# Altium PCB track_kit_test_5.PcbDoc
Units mm, origin at the board's own origin, x right, y up, seen from the top; angles counter-clockwise.
Board outline 60 x 169.5 mm, 2 copper layers (Top Layer, Bottom Layer), stack 1.571 mm thick; 72 components, 79 nets, 200 pads, 4 vias.
Unrouted connection lines stored in the file: 95.
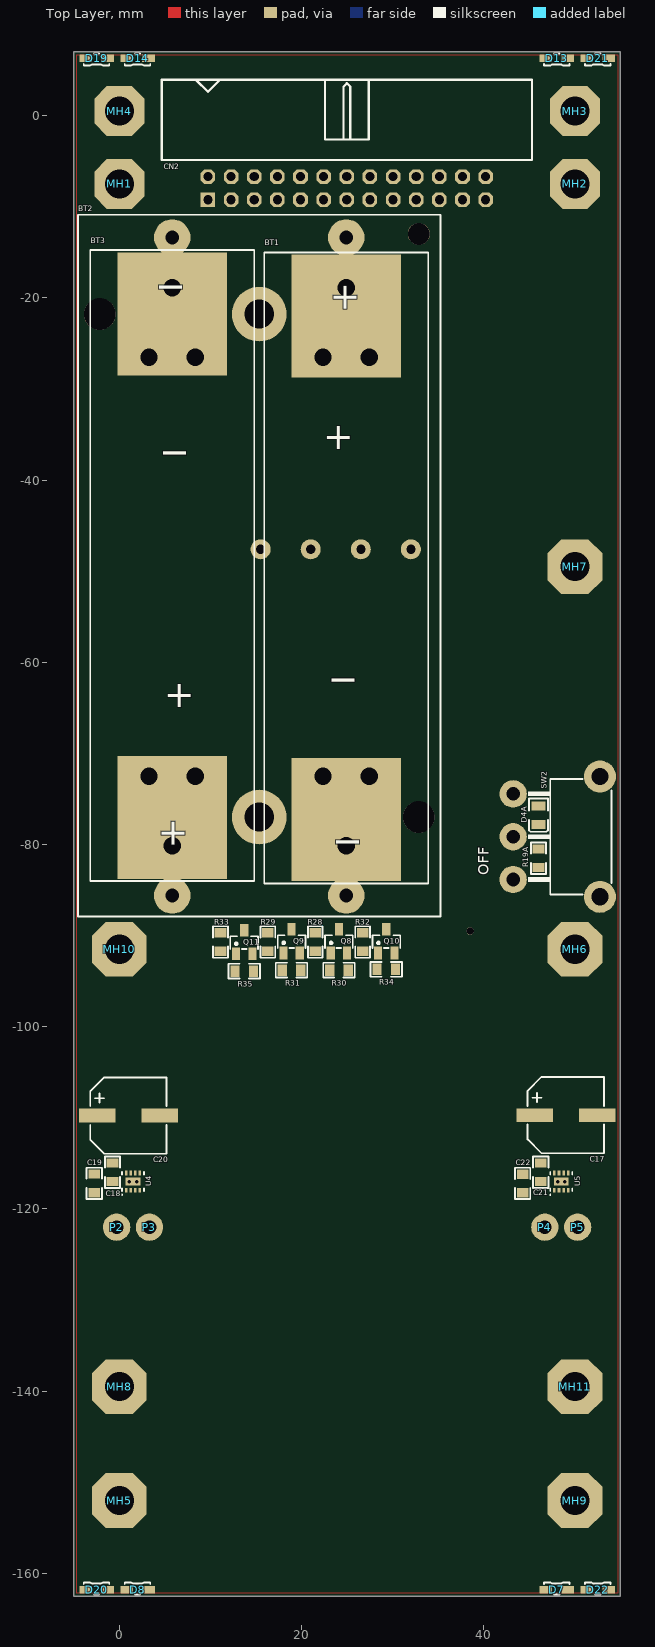
[diagram p0: Top Layer view]
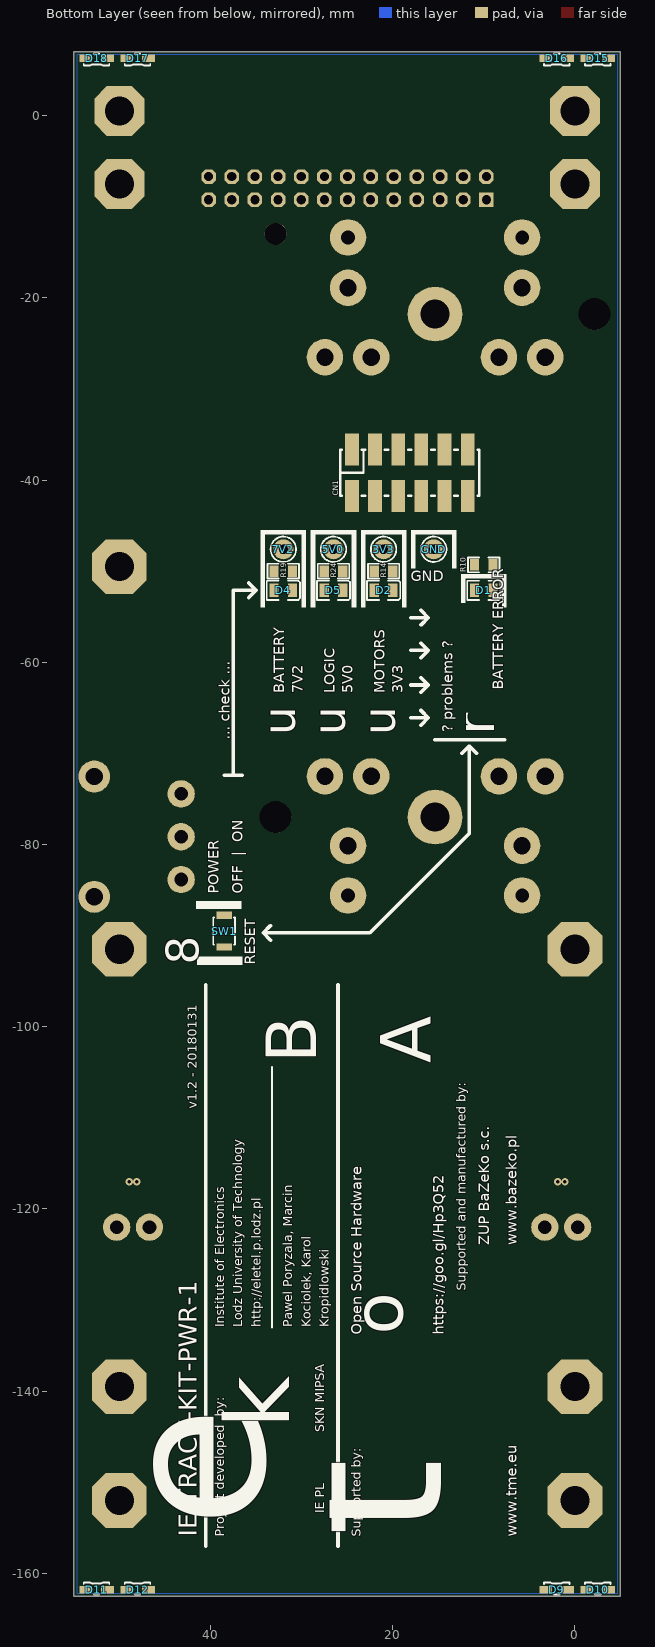
[diagram p1: Bottom Layer view, seen from below]

## Layer stack, top to bottom
Top Solder: solder mask 0.0102, Solder Resist, Dk 3.5
Top Layer: signal copper 0.0356
Dielectric 1: dielectric 1.5, FR-4, Dk 4.8
Bottom Layer: signal copper 0.0356
Bottom Solder: solder mask 0.0102, Solder Resist, Dk 3.5

## Board outline
-5,-162.5 55,-162.5 55,7 -5,7

## Design rules (kind name [scope] priority, off if disabled: settings)
Clearance Clearance_1 [OnLayer('Mechanical 3')] p1: gap=0.5 ignorepadtopadclearanceinfootprint=FALSE
Clearance [All] p2: gap=0.2 ignorepadtopadclearanceinfootprint=FALSE
ComponentClearance [All] p1: gap=0.2 collisioncheckmode=3 verticalgap=0.2 showdistances=FALSE
HoleSize [All] p1: absolutevalues=TRUE maxlimit=3.2 minlimit=0.025 maxpercent=80.000 minpercent=20.000
PolygonConnect [All] p1: thpad.connectstyle=Relief thpad.reliefconductorwidth=0.6 thpad.reliefentries=4 thpad.polygonreliefangle="90 Angle" thpad.airgapwidth=0.254 smdpad.connectstyle=Relief smdpad.reliefconductorwidth=0.6 smdpad.reliefentries=4 smdpad.polygonreliefangle="90 Angle" smdpad.airgapwidth=0.254 via.connectstyle=Direct via.reliefconductorwidth=0.6 via.reliefentries=4 via.polygonreliefangle="90 Angle" via.airgapwidth=0.254
RoomDefinition "[08] - MAIN CONNECTOR" [InComponentClass('[08] - MAIN CONNECTOR')] p1: confinementstyle=ConfineIn formatcopy=TRUE lockcomponents=FALSE outline -26.7,-189.2 77.4,-189.2 77.4,40.1 -26.7,40.1
RoomDefinition "[06] - MOTOR DRIVERS" [InComponentClass('[06] - MOTOR DRIVERS')] p2: confinementstyle=ConfineIn formatcopy=TRUE lockcomponents=FALSE outline -29.9,-191.7 92.6,-191.7 92.6,44.5 -29.9,44.5
RoomDefinition "[05] - POWER" [InComponentClass('[05] - POWER')] p3: confinementstyle=ConfineIn formatcopy=TRUE lockcomponents=FALSE outline -30.5,-193 102.2,-193 102.2,42 -30.5,42
RoomDefinition "[04] - BATTERIES WITH PROTECTION" [InComponentClass('[04] - BATTERIES WITH PROTECTION')] p4: confinementstyle=ConfineIn formatcopy=TRUE lockcomponents=FALSE outline -24.2,-191.1 72.3,-191.1 72.3,41.3 -24.2,41.3
RoomDefinition "[07] - LIGHTS" [InComponentClass('[07] - LIGHTS')] p5: confinementstyle=ConfineIn formatcopy=TRUE lockcomponents=FALSE outline -22.4,-192.3 73.1,-192.3 73.1,36.5 -22.4,36.5
RoutingVias [All] p1: holewidth=0.4 width=1 viastyle="Through Hole" minholewidth=0.3 minwidth=0.6 maxholewidth=0.4 maxwidth=1
SilkToSilkClearance [All] p1: silktosilkclearance=0.1
SilkToSolderMaskClearance [IsPad] p1: minsilkscreentomaskgap=0 clearancetoexposedcopper=TRUE
SolderMaskExpansion [All] p1: expansion=0.102
Width [All] p1: maxlimit=4 minlimit=0.28 preferedwidth=0.6
26 further rules are at their usual default settings.

## Classes and differential pairs
component class "[07] - LIGHTS": CN1 D7 D8 D9 D10 D11 D12 D13 D14 D15 D16 D17 D18 D19 D20 D21 D22 Q8 Q9 Q10 Q11 R28 R29 R30 R31 R32 R33 R34 R35
component class "[05] - POWER": 3V3 5V0 7V2 D2 D4 D4A D5 GND R14 R15 R16 R19 R19A R24 SW2
component class "[04] - BATTERIES WITH PROTECTION": BT1 BT2 BT3 D1 R10 SW1
component class "[06] - MOTOR DRIVERS": C17 C18 C19 C20 C21 C22 C23 P2 P3 P4 P5 U4 U5
component class "[03] - BLOCK DIAGRAM": MH1 MH2 MH3 MH4 MH5 MH6 MH7 MH8 MH9 MH10 MH11
component class "[08] - MAIN CONNECTOR": CN2 Q?

## Components (designator, comment, footprint, x,y, rotation, side; value= is the part's Value field where it differs from the comment)
3V3 "Keystone 5000 Test Point (RED)" Keystone_5000_RED 21,-47.6 r270 bottom
5V0 "Keystone 5000 Test Point (RED)" Keystone_5000_RED 26.5,-47.6 r270 bottom
7V2 "Keystone 5000 Test Point (RED)" Keystone_5000_RED 32,-47.6 r270 bottom
BT1 "18650 (2x KEYSTONE 54 Holder) Battery" KEYSTONE_54_W_18650 24.9,-49.52 r270 top
BT2 "KEYSTONE 1049" KEYSTONE_1049 15.35,-49.49 r90 top locked
BT3 "18650 (2x KEYSTONE 54 Holder) Battery" KEYSTONE_54_W_18650 5.8,-49.52 r90 top
C17 "220uF/16V" CES_E_8.3x8.3_6.2 49,-109.7 r90 top locked
C18 "100nF" C0805 -0.75,-115.975 r90 top locked
C19 "100nF" C0805 -2.75,-117.191 r270 top locked
C20 "220uF/16V" CES_E_8.3x8.3_6.2 1,-109.75 r90 top locked
C21 "100nF" C0805 46.25,-115.975 r90 top locked
C22 "100nF" C0805 44.25,-117.2 r270 top locked
CN1 "QTR-8RC_DIRECT" QTR-8RC_SNAPPED_GOLDPIN_VERTICAL 25,-39.3 r0 top
CN2 "IDC Connector" IDC26_RA_LONG_W_CN 24.96,-7.97 r0 top locked
D1 "RED" LED0805R 10,-52.1 r180 bottom
D2 "LED_YELLOW" LED0805Y 21,-52.1 r180 bottom
D4 "RED" LED0805R 32,-52.1 r180 bottom
D4A "RED" LED0805R 46,-76.784 r270 top
D5 "GREEN" LED0805G 26.5,-52.1 r180 bottom
D7 "KA-2810ASURSK" LED2810 48,-161.4 r180 top locked
D8 "KA-2810ASURSK" LED2810 2,-161.4 r180 top locked
D9 "KA-2810ASURSK" LED2810 2,-161.4 r0 bottom locked
D10 "KA-2810ASURSK" LED2810 -2.5,-161.4 r0 bottom locked
D11 "KA-2810ASURSK" LED2810 52.5,-161.4 r0 bottom locked
D12 "KA-2810ASURSK" LED2810 48,-161.4 r0 bottom locked
D13 "LTW-108DCG-HS10" LED2810 48,5.9 r0 top
D14 "LTW-108DCG-HS10" LED2810 2,5.9 r0 top
D15 "LTW-108DCG-HS10" LED2810 -2.5,5.9 r180 bottom
D16 "LTW-108DCG-HS10" LED2810 2,5.9 r180 bottom
D17 "LTW-108DCG-HS10" LED2810 48,5.9 r180 bottom
D18 "LTW-108DCG-HS10" LED2810 52.5,5.9 r180 bottom
D19 "KA-2810ASESK" LED2810 -2.5,5.9 r0 top
D20 "KA-2810ASESK" LED2810 -2.5,-161.4 r180 top locked
D21 "KA-2810ASESK" LED2810 52.5,5.9 r0 top
D22 "KA-2810ASESK" LED2810 52.5,-161.4 r180 top locked
GND "Keystone 5001 Test Point (BLACK)" Keystone_5001_BLACK 15.5,-47.6 r270 bottom
MH1 "MHOLE 3mm" "3mm screw drill I"#1 0,-7.5 r0 top
MH2 "MHOLE 3mm" "3mm screw drill I"#1 50,-7.5 r0 top
MH3 "MHOLE 3mm" "3mm screw drill I"#1 50,0.5 r0 top
MH4 "MHOLE 3mm" "3mm screw drill I"#2 0,3 r0 top
MH5 "MHOLE 3mm" "3mm screw drill I"#3 0,-152 r0 top
MH6 "MHOLE 3mm" "3mm screw drill I"#3 50,-91.5 r0 top
MH7 "MHOLE 3mm" "3mm screw drill I"#3 50,-49.5 r0 top
MH8 "MHOLE 3mm" "3mm screw drill I"#3 0,-139.5 r0 top
MH9 "MHOLE 3mm" "3mm screw drill I"#3 50,-152 r0 top
MH10 "MHOLE 3mm" "3mm screw drill I"#3 0,-91.5 r0 top
MH11 "MHOLE 3mm" "3mm screw drill I"#3 50,-139.5 r0 top
P2 "CablePAD" PADTHT1.5x3mm -0.3,-122 r0 top
P3 "CablePAD" PADTHT1.5x3mm 3.3,-122 r0 top locked
P4 "CablePAD" PADTHT1.5x3mm 46.7,-122 r0 top locked
P5 "CablePAD" PADTHT1.5x3mm 50.3,-122 r0 top locked
Q8 "IRLML0040TRPBF" SOT-23 24.1,-90.6 r0 top
Q9 "IRLML0040TRPBF" SOT-23 18.9,-90.6 r0 top
Q10 "IRLML0040TRPBF" SOT-23 29.3,-90.6 r0 top
Q11 "IRLML0040TRPBF" SOT-23 13.7,-90.7 r0 top
R10 "470" R0805 10,-49.3 r0 bottom
R14 "220R" R0805 21,-50 r0 bottom
R19 "1k" R0805 32,-50 r0 bottom
R19A "1k" R0805 46,-81.5 r270 top
R24 "150R" R0805 26.5,-50 r0 bottom
R28 "10R" R0805 21.5,-90.7 r90 top
R29 "10R" R0805 16.3,-90.7 r90 top
R30 "1k" R0805 24.1,-93.8 r0 top
R31 "1k" R0805 18.9,-93.8 r0 top
R32 "10R" R0805 26.7,-90.7 r90 top
R33 "10R" R0805 11.1,-90.7 r90 top
R34 "1k" R0805 29.3,-93.7 r0 top
R35 "1k" R0805 13.7,-93.9 r0 top
SW1 "B3U-1000PM-B" B3U-1000PM-B 38.5,-89.5 r270 bottom
SW2 "SL19123" 500SSPXS1M6XEA 43.22,-79.145 r90 top locked
U4 "DRV8838" "WSON8 (DSG8-1600X900TP)" 1.5,-117 r90 top locked
U5 "DRV8838" "WSON8 (DSG8-1600X900TP)" 48.5,-117 r90 top locked

## Footprints (in the part's own frame and the unit in brackets; to place one, negate y for a bottom-side part, rotate by r counter-clockwise, add the part's x,y. Pads: shape width x height; smd on the part's side, far side on the other; paste and mask are expansions set on the pad)
"3mm screw drill I"#1 [mm]
  oct 5.5x5.5 hole 3.2: 1(0,0)
"3mm screw drill I"#2 [mm]
  oct 5.5x5.5 hole 3.2: 1(0,-2.5)
"3mm screw drill I"#3 [mm]
  oct 6x6 hole 3.2: 1(0,0)
  body extent -2.75,9.75 2.75,15.25, height 4.2
500SSPXS1M6XEA [mm] "E-Switch 500 Series Miniature Slide Switche (TME: Canal Electronic, SL19123)"
  round 3 hole 1.5: 1(-4.7,0) 2(0,0) 3(4.7,0)
  round 3.5 hole 1.9: M(-6.605,-9.53) M(6.605,-9.53)
  silkscreen extent -6.35,-10.79 6.35,-1.65, body extent -6.78,-15.49 6.79,0.7, height 6.8
B3U-1000PM-B [mm] "OMRON Ultra-small Tactile Switch B2U Series"
  rect 0.8x1.7 smd: 1(-1.75,0) 2(1.75,0)
  round 0.8 hole 0.8: M0(0,0)
  silkscreen extent -1.5,-1.2 1.5,1.2, body extent -2,-1.25 2,1.25, height 1.6
C0805 [mil]
  rect 40x50 smd: 1(-40,0) 2(40,0)
  silkscreen extent -68,-33 68,33, body extent -39,-25 39,25, height 31
CES_E_8.3x8.3_6.2 [mm] "SMT Aluminum Electrolytic Capacitor, E Size; base: 8.3x8.3mm, height: 6.2mm"
  rect 1.5x4 smd: 1(0,3.429) 2(0,-3.429)
  silkscreen extent -4.19,-4.19 4.19,4.19, body extent -4.15,-4.5 4.15,4.5, height 6.2
IDC26_RA_LONG_W_CN [mm] "2.54mm, 26 Pin IDC Male Connector, Right Angle"
  rect 1.6x1.6 hole 1: 1(-15.24,-1.27)
  oct 1.6x1.6 hole 1: 2(-15.24,1.27) 3(-12.7,-1.27) 4(-12.7,1.27) 5(-10.16,-1.27) 6(-10.16,1.27) 7(-7.62,-1.27) 8(-7.62,1.27) 9(-5.08,-1.27) 10(-5.08,1.27) 11(-2.54,-1.27) 12(-2.54,1.27) 13(0,-1.27) 14(0,1.27) 15(2.54,-1.27) 16(2.54,1.27) 17(5.08,-1.27) 18(5.08,1.27) 19(7.62,-1.27) 20(7.62,1.27) 21(10.16,-1.27) 22(10.16,1.27) 23(12.7,-1.27) 24(12.7,1.27) 25(15.24,-1.27) 26(15.24,1.27)
  silkscreen extent -20.32,3.1 20.32,11.9, body extent -20.37,-1.64 20.31,21.3, height 9.13
KEYSTONE_54_W_18650 [mm]
  round 4 hole 1.9: 1(-30.62,0) 1(-23,-2.54) 1(-23,2.54) 2(23,-2.54) 2(23,2.54) 2(30.62,0)
  rect 13.5x12 smd: 1(-27.5,0) 2(27.75,0)
  silkscreen extent -34.5,-9 34.75,9, body extent -34.2,-9.05 34.2,9.09, height 19.3
KEYSTONE_1049 [mm] "THT double 18650 LiPo Holder"
  round 4 hole 1.5: 1(-36.11,9.55) 2(36.11,9.55) 3(-36.11,-9.55) 4(36.11,-9.55)
  round 6 hole 3.2: M1(-27.5,0) M2(27.7,0)
  round 3.45 hole 3.5: M3(-27.5,-17.505) M4(27.7,17.5)
  round 2.4 hole 2.4: M5(36.5,-17.505)
  silkscreen extent -38.4,-19.9 38.6,19.9, body extent -38.4,-19.89 38.66,19.89, height 14.88
Keystone_5000_RED [mm] "Red Keystone Electronics 5000 Test Point"
  round 2.2 hole 1: 0(0,0)
  silkscreen extent -1.4,-1.4 1.4,1.39, body extent -1.27,-1.27 1.27,1.27, height 4.57
Keystone_5001_BLACK [mm] "Black Keystone Electronics 5001 Test Point"
  round 2.2 hole 1: 0(0,0)
  silkscreen extent -1.4,-1.4 1.4,1.39, body extent -1.27,-1.27 1.27,1.27, height 4.57
LED0805G [mil]
  rect 40x60 smd: 1(-40,0) 2(40,0)
  silkscreen extent -72,-41 72,41, body extent -40,-25 40,25, height 43
LED0805R [mil]
  rect 40x60 smd: 1(-40,0) 2(40,0)
  silkscreen extent -72,-41 72,41, body extent -40,-25 40,25, height 43
LED0805Y [mil]
  rect 40x60 smd: 1(-40,0) 2(40,0)
  silkscreen extent -72,-41 72,41, body extent -40,-25 40,25, height 43
LED2810 [mm] "SMD 2810 LED case (for e.g. Kingbright KA-2810 series)"
  rect 1.4x0.86 smd: 1(1.2,0.4) 2(-1.2,0.4)
  silkscreen extent -1.4,-0.4 1.4,0.9, body extent -1.4,-0.4 1.4,0.9, height 0.8
PADTHT1.5x3mm [mm]
  round 3 hole 1.5: 0(0,0)
QTR-8RC_SNAPPED_GOLDPIN_VERTICAL [mm] "QTR-8RC Reflectance Sensor Array"
  rect 1.5x3.5 smd far side: 1(-0.525,2.64) 2(-3.065,2.64) 3(-5.605,2.64) 4(-8.145,2.64) 5(-10.685,2.64) 6(-13.225,2.64) GND(-13.225,-2.44) GND(-10.685,-2.44) GND(-8.145,-2.44) GND(-5.605,-2.44) LEDON(-0.525,-2.44) VCC(-3.065,-2.44)
  body extent -27.82,-3.42 27.77,11.05, height 15.33
R0805 [mil]
  rect 40x50 smd: 1(-40,0) 2(40,0)
  silkscreen extent -68,-32 68,32, body extent -39,-25 39,25, height 31
SOT-23 [mm]
  rect 0.9x1.4 smd: 1(-0.9,-1.3) 2(0.9,-1.3) 3(0,1.3)
  silkscreen extent -1.52,-0.76 1.52,0.64, body extent -1.46,-1.25 1.46,1.23, height 1
"WSON8 (DSG8-1600X900TP)" [mm] "SON, 8-Leads, Body 2x2mm, Pitch 0.5mm, Thermal Pad 1.6x0.9mm, TI Recommended"
  rect 0.5x0.28 smd paste-0.14 mask+0.07: 1(-0.95,0.75) 2(-0.95,0.25) 3(-0.95,-0.25) 4(-0.95,-0.75) 5(0.95,-0.75) 6(0.95,-0.25) 7(0.95,0.25) 8(0.95,0.75)
  rect 0.9x1.6 smd paste-0.45 mask+0.07: 9(0,0)
  silkscreen extent -1.5,-1.2 1.05,1.25, body extent -1.05,-1.05 1.05,1.05, height 0.8

## Part data
3V3 5V0 7V2: library part "Keystone 5000 Test Point"
BT1 BT3: library part 18650, Published=24-Mar-1999, Publisher="Altium Limited", Revision="July-2002: Re-released for DXP Platform."
BT2: library part "Keystone 1049", "2x 18650 LiPo Acu in the KEYSTONE 1049 Holder", Published=14-Sep-2006
C17 C20: library part "Cap Pol", "Polarized Capacitor", ComponentLink1Description=datasheet, ComponentLink2Description=supplier
C18 C19 C21 C22: library part Cap, "Capacitor", ComponentLink1Description=datasheet, ComponentLink2Description=supplier
CN1: "QTR-8RC Reflectance Sensor Array (Pololu item No. 961)", Published=14-Sep-2006
CN2: library part CN_13x2
D1 D4 D4A: library part LED_RED, "RED LED", Published=04-Apr-2006
D2: "YELLOW LED", Published=04-Apr-2006
D5: library part LED_GREEN, "GREEN LED", Published=04-Apr-2006
GND: library part "Keystone 5001 Test Point"
MH1 MH2 MH3 MH4 MH5 MH6 MH7 MH8 MH9 MH10 MH11: library part MHOLE_3MM, "3mm Mounting Hole"
P2 P3 P4 P5: "Cable/Wire Soldering PAD", Published=14-Sep-2006
Q8 Q9 Q10 Q11: "N-Channel; 40V, 3.6A, 1,25W; HEXFET Power MOS-FET", Supplier Part Number 1=1831088RL, Supplier 1=Farnell, Supplier 2=TME, Supplier 3=Farnell, Supplier 4=Farnell, Supplier Part Number 2=IRLML0040TRPBF, Supplier Part Number 3=1829136, Supplier Part Number 4=1831088
R10 R14 R19 R19A R24 R28 R29 R30 R31 R32 R33 R34 R35: library part Res, "Resistor", ComponentLink1Description=datasheet, ComponentLink2Description=supplier, Published=19-Feb-2006
SW1: "OMRON Ultra-small Tactile Switch - 12V/50mA"
SW2: "Canal Electronic SPDT AC: 3A/250V, DC: 6A/28V", Supplier 1=TME, Supplier Part Number 1=SL19123
U4 U5: "Low-Voltage H-Bridge Driver", Supplier Part Number 1=2420232, Published=14-Sep-2006, Supplier 1=Farnell, Supplier 2=Farnell, Supplier Part Number 2=2542736
D7 D8 D9 D10 D11 D12 D13 D14 D15 D16 D17 D18 D19 D20 D21 D22: Published=04-Apr-2006

## Via types
v1: diameter 0.8, hole 0.4, Top Layer to Bottom Layer, tented both sides, 4 vias

## Nets (pads, with @x,y where several pads share a name; then routed paths per layer and width w, separated by ;. In a path a pad name is that pad's centre, name@x,y a point inside that pad or via, vN(x,y) a via of type N, cw(c..) or ccw(c..) an arc to the next point about the centre after c; other vN are vias at no path point)
3V3: 3V3.0 BT2.M1 C17.1 C19.2 C20.1 C22.2 D7.2 D8.2 D9.2 D10.2 D11.2 D12.2 D13.2 D14.2 D15.2 D16.2 D17.2 D18.2 D19.2 D20.2 D21.2 D22.2 MH10.1 R14.1 U4.1 U5.1
5V0: 5V0.0 R24.1
7V2: BT2.1 BT3.1 SW2.2
7V2_SW: 7V2.0 D4A.1 R19.1 SW2.3
EN_LEFT: CN2.18 U4.5
EN_RIGHT: CN2.17 U5.5
FB_3V3: 
FB_5V0: 
GND: C17.2 C18.1 C19.1 C20.2 C21.1 C22.1 CN1.GND CN2.4 CN2.6 CN2.22 D2.2 D4.2 D5.2 GND.0 MH1.1 MH2.1 MH3.1 MH4.1 MH5.1 MH6.1 MH7.1 MH8.1 MH9.1 MH11.1 Q8.2 Q9.2 Q10.2 Q11.2 R19A.2 R30.2 R31.2 R34.2 R35.2 SW2.M U4.4 U4.9 U5.4 U5.9
  other v1: 1.1,-117 1.9,-117 48.1,-117 48.9,-117
LD1: CN1.1 CN2.13
LD2: CN1.2 CN2.11
LD3: CN1.3 CN2.9
LD4: CN1.4 CN2.7
LD5: CN1.5 CN2.5
LD6: CN1.6 CN2.3
LEDON: CN1.LEDON CN2.14
LIGHTS_FRONT: CN2.10 Q9.1 R31.1
LIGHTS_REAR: CN2.8 Q8.1 R30.1
LIGHTS_TURN_LEFT: CN2.2 Q11.1 R35.1
LIGHTS_TURN_RIGHT: CN2.1 Q10.1 R34.1
NetBT1_1: BT1.1 BT2.2 BT2.4 BT3.2
NetC1_1: 
NetC1_2: 
NetC3_2: 
NetC4_1: 
NetC4_2: 
NetC5_1: 
NetC5_2: R10.2
NetC10_2: 
NetC11_2: 
NetC15_2: 
NetC16_2: 
NetCN2_21: CN2.21
NetCN2_23: CN2.23 CN2.24
NetCN2_25: CN2.25 CN2.26
NetD1_1: D1.1
NetD1_2: D1.2 R10.1
NetD2_1: D2.1 R14.2
NetD3_2: 
NetD4_1: D4.1 R19.2
NetD4A_2: D4A.2 R19A.1
NetD5_1: D5.1 R24.2
NetD6_2: 
NetD7_1: D7.1 D8.1 D9.1 D10.1 D11.1 D12.1 R28.1
NetD13_1: D13.1 D14.1 D15.1 D16.1 D17.1 D18.1 R29.1
NetD19_1: D19.1 D20.1 R33.1
NetD21_1: D21.1 D22.1 R32.1
NetP1_2: 
NetP2_0: P2.0 U4.2
NetP3_0: P3.0 U4.3
NetP4_0: P4.0 U5.2
NetP5_0: P5.0 U5.3
NetQ1_1: 
NetQ1_4: 
NetQ1_5: 
NetQ4_3: 
NetQ4_4: 
NetQ5_2: 
NetQ6_3: 
NetQ6_4: 
NetQ7_2: 
NetQ8_3: Q8.3 R28.2
NetQ9_3: Q9.3 R29.2
NetQ10_3: Q10.3 R32.2
NetQ11_3: Q11.3 R33.2
NetQ12_1: 
NetQ13_2: 
NetQ14_1: 
NetQ15_2: 
NetQ16_1: 
NetQ17_2: 
NetR2_1: 
NetR4_1: SW1.1
nSLEEP_LEFT: CN2.20 U4.7
nSLEEP_RIGHT: CN2.19 U5.7
PACK_GND: BT1.2 BT2.3 SW1.2
PH_LEFT: CN2.16 U4.6
PH_RIGHT: CN2.15 U5.6
SYSTEM_VCC: C18.2 C21.2 CN1.VCC CN2.12 U4.8 U5.8
pads on no net: BT2.M2 BT2.M3 BT2.M4 BT2.M5 SW1.M0 SW2.1

## Polygon pours and split planes (outlines as drawn)
GND on Top Layer "GND" (solid, remove dead copper, shelved, pour order 0): -4.7,6.7 54.7,6.7 54.7,-162.2 -4.7,-162.2
GND on Bottom Layer "GND" (solid, remove dead copper, shelved, pour order 2): -4.7,6.7 54.7,6.7 54.7,-162.2 -4.7,-162.2

## Other copper
Bottom Layer:
  region net NetBT1_1: 1.4,-23.6

## Silkscreen, mask and mechanical layers (free items; w line width, h text height)
Top Overlay:
  text "OFF" at 40.9,-83.4 h2 r90
Bottom Overlay:
  region: 13,-45.5 13,-49.7 13.5,-49.7 13.5,-45.5
  region: 17.5,-45.5 17.5,-49.7 18,-49.7 18,-45.5
  region: 13,-45.5 13,-46 18,-46 18,-45.5
  region: 18.5,-45.5 18.5,-46 23.5,-46 23.5,-45.5
  region: 36.5,-92.3 36.5,-93.2 41.5,-93.2 41.5,-92.3
  region: 36.6,-86.2 36.6,-87.1 41.6,-87.1 41.6,-86.2
  region: 7.5,-50.3 7.5,-54 8,-54 8,-50.3
  region: 7.5,-50.3 7.5,-50.8 12.5,-50.8 12.5,-50.3
  region: 12,-50.3 12,-53.5 12.5,-53.5 12.5,-50.3
  region: 23,-45.5 23,-54 23.5,-54 23.5,-45.5
  region: 18.5,-45.5 18.5,-54 19,-54 19,-45.5
  region: 28.5,-45.5 28.5,-54 29,-54 29,-45.5
  region: 24,-45.5 24,-46 29,-46 29,-45.5
  region: 24,-45.5 24,-54 24.5,-54 24.5,-45.5
  region: 29.5,-45.5 29.5,-54 30,-54 30,-45.5
  region: 29.5,-45.5 29.5,-46 34.5,-46 34.5,-45.5
  region: 34,-45.5 34,-54 34.5,-54 34.5,-45.5
  lines w0.2: 33.25,-133 33.25,-104.4
  lines w0.4: 7.7,-68.5 15.4,-68.5 ; 10.8,-70 11.6,-69.2 ; 12.4,-70 11.6,-69.2 ; 16.9,-66.9 16.1,-66.1 ; 16.9,-65.3 16.1,-66.1 ; 16.9,-63.3 16.1,-62.5 ; 16.9,-61.7 16.1,-62.5 ; 16.9,-59.5 16.1,-58.7 ; 16.9,-57.9 16.1,-58.7 ; 16.9,-55.9 16.1,-55.1 ; 16.9,-54.3 16.1,-55.1 ; 18,-66.1 16.1,-66.1 ; 18,-62.5 16.1,-62.5 ; 18,-58.7 16.1,-58.7 ; 18,-55.1 16.1,-55.1 ; 26,-157 26,-95.4 ; 33.4,-90.5 34.2,-89.7 ; 33.4,-88.9 34.2,-89.7 ; 35.8,-52.9 35,-52.1 ; 35.8,-51.3 35,-52.1 ; 36.5,-72.4 38.5,-72.4 ; 37.5,-72.4 37.5,-52.1 35,-52.1 ; 40.5,-157 40.5,-95.4 ; 11.6,-69.2 11.6,-78.8 22.5,-89.7 34.2,-89.7
  text "GND" at 18,-51.5 h2
  text "BATTERY ERROR" at 7.5,-63 h2 r270
  text "MOTORS / 3V3" at 18.5,-63.4 h2 r270
  text "LOGIC / 5V0" at 24,-63.4 h2 r270
  text "BATTERY / 7V2" at 29.5,-63.4 h2 r270
  text "? problems ?" at 13,-67.7 h2 r270
  text "r" at 7.5,-68 h7.5 r270
  text "u" at 18.5,-68 h6.2 r270
  text "u" at 24,-68 h6.2 r270
  text "u" at 29.5,-68 h6.2 r270
  text "... check ..." at 37.5,-68.5 h2 r270
  text "OFF  |  ON" at 36.1,-85.4 h2 r270
  text "POWER" at 38.7,-85.4 h2 r270
  text "RESET" at 34.7,-93.2 h2 r270
  text "8" at 40.1,-93.2 h6.2 r270
  text "A" at 14,-104 h9.5 r270
  text "B" at 26.6,-104 h9.5 r270
  text "v1.2 - 20180131" at 41.5,-109 h1 r270
  text "www.bazeko.pl" at 6,-124 h2 r270
  text "ZUP BaZeKo s.c." at 9,-124 h2 r270
  text "Supported and manufactured by:" at 12,-129 h1 r270
  text "Kropidlowski" at 27,-133 h1 r270
  text "Kociolek, Karol" at 29,-133 h1 r270
  text "Pawel Poryzala, Marcin" at 31,-133 h1 r270
  text "http://eletel.p.lodz.pl" at 34.5,-133 h1 r270
  text "Lodz University of Technology" at 36.5,-133 h1 r270
  text "Institute of Electronics" at 38.5,-133 h1 r270
  text "https://goo.gl/Hp3Q52" at 14,-133.8 h2 r270
  text "o" at 17.1,-133.8 h9.5 r270
  text "Open Source Hardware" at 23,-133.8 h2 r270
  text "k" at 29,-144.1 h12.5 r270
  text "SKN MIPSA" at 27.5,-144.5 h1 r270
  text "IE PL" at 27.5,-153.4 h1 r270
  text "e" at 29,-155 h27 r270
  text "www.tme.eu" at 6,-156 h2 r270
  text "t" at 9,-156 h30 r270
  text "Supported by:" at 23.5,-156 h1 r270
  text "Project developed  by:" at 38.5,-156 h1 r270
  text "IE-TRACK-KIT-PWR-1" at 41.5,-156 h2 r270
Mechanical 2:
  circle w0.2: c50,-10 r0.707
  circle w0.2: c50,0 r0.707
  circle w0.2: c50,-130 r0.707
  circle w0.2: c0,-130 r0.707
  circle w0.2: c0,-10 r0.707
  circle w0.2: c0,0 r0.707
  lines w0.2: -5,-155 -5,5 55,5 55,-155 -5,-155
Mechanical 3:
  lines w0.254: -5,-162.5 55,-162.5 55,-15 55,7 -5,7 -5,-15 -5,-162.5
Mechanical 15:
  lines w0.2: -29.5,-160 4,-160 ; -29.5,-117.5 4,-117.5 ; -29.5,-81 4,-81 ; -29.5,-45 4,-45 ; -29.5,0 4,0
  lines w0.254: 0,-173 50,-173 ; 0,-143 50,-143 ; 0,-139.5 50,-139.5 ; 0,-138 0,-152 50,-152 50,-136.5 ; 0,12 50,12
  text "dlugosc plytki w oryginalnej wersji 1.1" at 9.2,12.5 h1
  text "os przednia" at -29,1 h1.52
  text "os 1" at -29,-44 h1.52
  text "os 2" at -29,-80 h1.52
  text "os 3" at -29,-116.5 h1.52
  text "nowy projekt - silniki - v1.2" at 11,-139 h1
  text "oryginalny projekt - dodatkowe - v1.1" at 8.7,-142.4 h1
  text "oryginalny projekt - silniki - v1.1" at 8.7,-151.4 h1
  text "os tylna" at -29,-159 h1.52
  text "dlugosc plytki w oryginalnej wersji 1.1" at 9.2,-172.5 h1
Drill Drawing:
  circle w0.254: c-74.808,-152.982 r0.847
  lines w0.254: -75.655,-157.639 -74.808,-157.215 -73.961,-157.639 -74.385,-156.792 -73.961,-155.945 -74.808,-156.369 -75.655,-155.945 -75.231,-156.792 -75.655,-157.639 ; -75.655,-150.019 -75.655,-149.595 -75.231,-149.172 -75.655,-148.749 -75.655,-148.325 -75.231,-148.325 -74.808,-148.749 -74.385,-148.325 -73.961,-148.325 -73.961,-148.749 -74.385,-149.172 -73.961,-149.595 -73.961,-150.019 -74.385,-150.019 -74.808,-149.595 -75.231,-150.019 -75.655,-150.019 ; -75.655,-145.785 -75.231,-145.785 -74.808,-146.209 -74.385,-145.785 -73.961,-145.785 -74.385,-145.362 -73.961,-144.939 -74.385,-144.939 -74.808,-144.515 -75.231,-144.939 -75.655,-144.939 -75.231,-145.362 -75.655,-145.785 ; -75.655,-142.399 -73.961,-142.399 -73.961,-140.705 -75.655,-140.705 -75.655,-142.399 ; -75.655,-138.165 -75.231,-138.165 -75.231,-138.589 -74.385,-138.589 -74.385,-138.165 -73.961,-138.165 -73.961,-137.319 -74.385,-137.319 -74.385,-136.895 -75.231,-136.895 -75.231,-137.319 -75.655,-137.319 -75.655,-138.165 ; -75.655,-134.779 -73.961,-134.779 -73.961,-133.085 -75.655,-133.085 -75.655,-134.779 ; -75.655,-130.122 -74.808,-130.969 -73.961,-130.122 -74.808,-129.275 -75.655,-130.122 ; -75.316,-157.3 -74.808,-157.046 -74.3,-157.3 -74.554,-156.792 -74.3,-156.284 -74.808,-156.538 -75.316,-156.284 -75.062,-156.792 -75.316,-157.3 ; -75.316,-142.06 -74.3,-142.06 -74.3,-141.044 -75.316,-141.044 -75.316,-142.06
  lines w0.381: -77.173,-158.782 -29.992,-158.782 ; -77.173,-128.302 -29.992,-128.302 ; -63.181,-162.592 -63.181,-124.492 ; -49.469,-162.592 -49.469,-124.492 ; -77.173,-162.592 -29.992,-162.592 -29.992,-124.492 -77.173,-124.492 -77.173,-162.592
  text "Symbol" at -74.887,-127.159 h1.83
  text "Count" at -62.038,-127.159 h1.83
  text "Hole Size" at -48.326,-127.159 h1.83
  text "4" at -62.038,-130.969 h1.52
  text "0,40mm" at -48.326,-130.969 h1.52
  text "1" at -62.038,-134.779 h1.52
  text "0,80mm" at -48.326,-134.779 h1.52
  text "30" at -62.038,-138.589 h1.52
  text "1,00mm" at -48.326,-138.589 h1.52
  text "11" at -62.038,-142.399 h1.52
  text "1,50mm" at -48.326,-142.399 h1.52
  text "14" at -62.038,-146.209 h1.52
  text "1,90mm" at -48.326,-146.209 h1.52
  text "1" at -62.038,-150.019 h1.52
  text "2,40mm" at -48.326,-150.019 h1.52
  text "13" at -62.038,-153.829 h1.52
  text "3,20mm" at -48.326,-153.829 h1.52
  text "2" at -62.038,-157.639 h1.52
  text "3,50mm" at -48.326,-157.639 h1.52
  text "76 Total" at -62.038,-161.449 h1.52

## Dimensions
-5,-162.5 to 55,-162.5 on Mechanical 1
-5,7 to -5,-162.5 on Mechanical 1

## Text inside footprints (layer, text, board x,y; h text height)
BT1: Top Overlay "l" at 22.4,-61.42 h5 r270; Top Overlay "+" at 22.4,-37.62 h5
BT2: Top Overlay "+" at 8.14,-80.49 h5 r90; Top Overlay "l" at 3.45,-18.29 h5 r270; Top Overlay "l" at 27.25,-80.29 h5 r90; Top Overlay "+" at 22.56,-18.29 h5 r270
BT3: Top Overlay "+" at 8.3,-61.42 h5 r180; Top Overlay "l" at 8.3,-37.62 h5 r90